# Altium PCB LimeSDR-USB_1v4.PcbDoc (part 6 of 10) (continued)
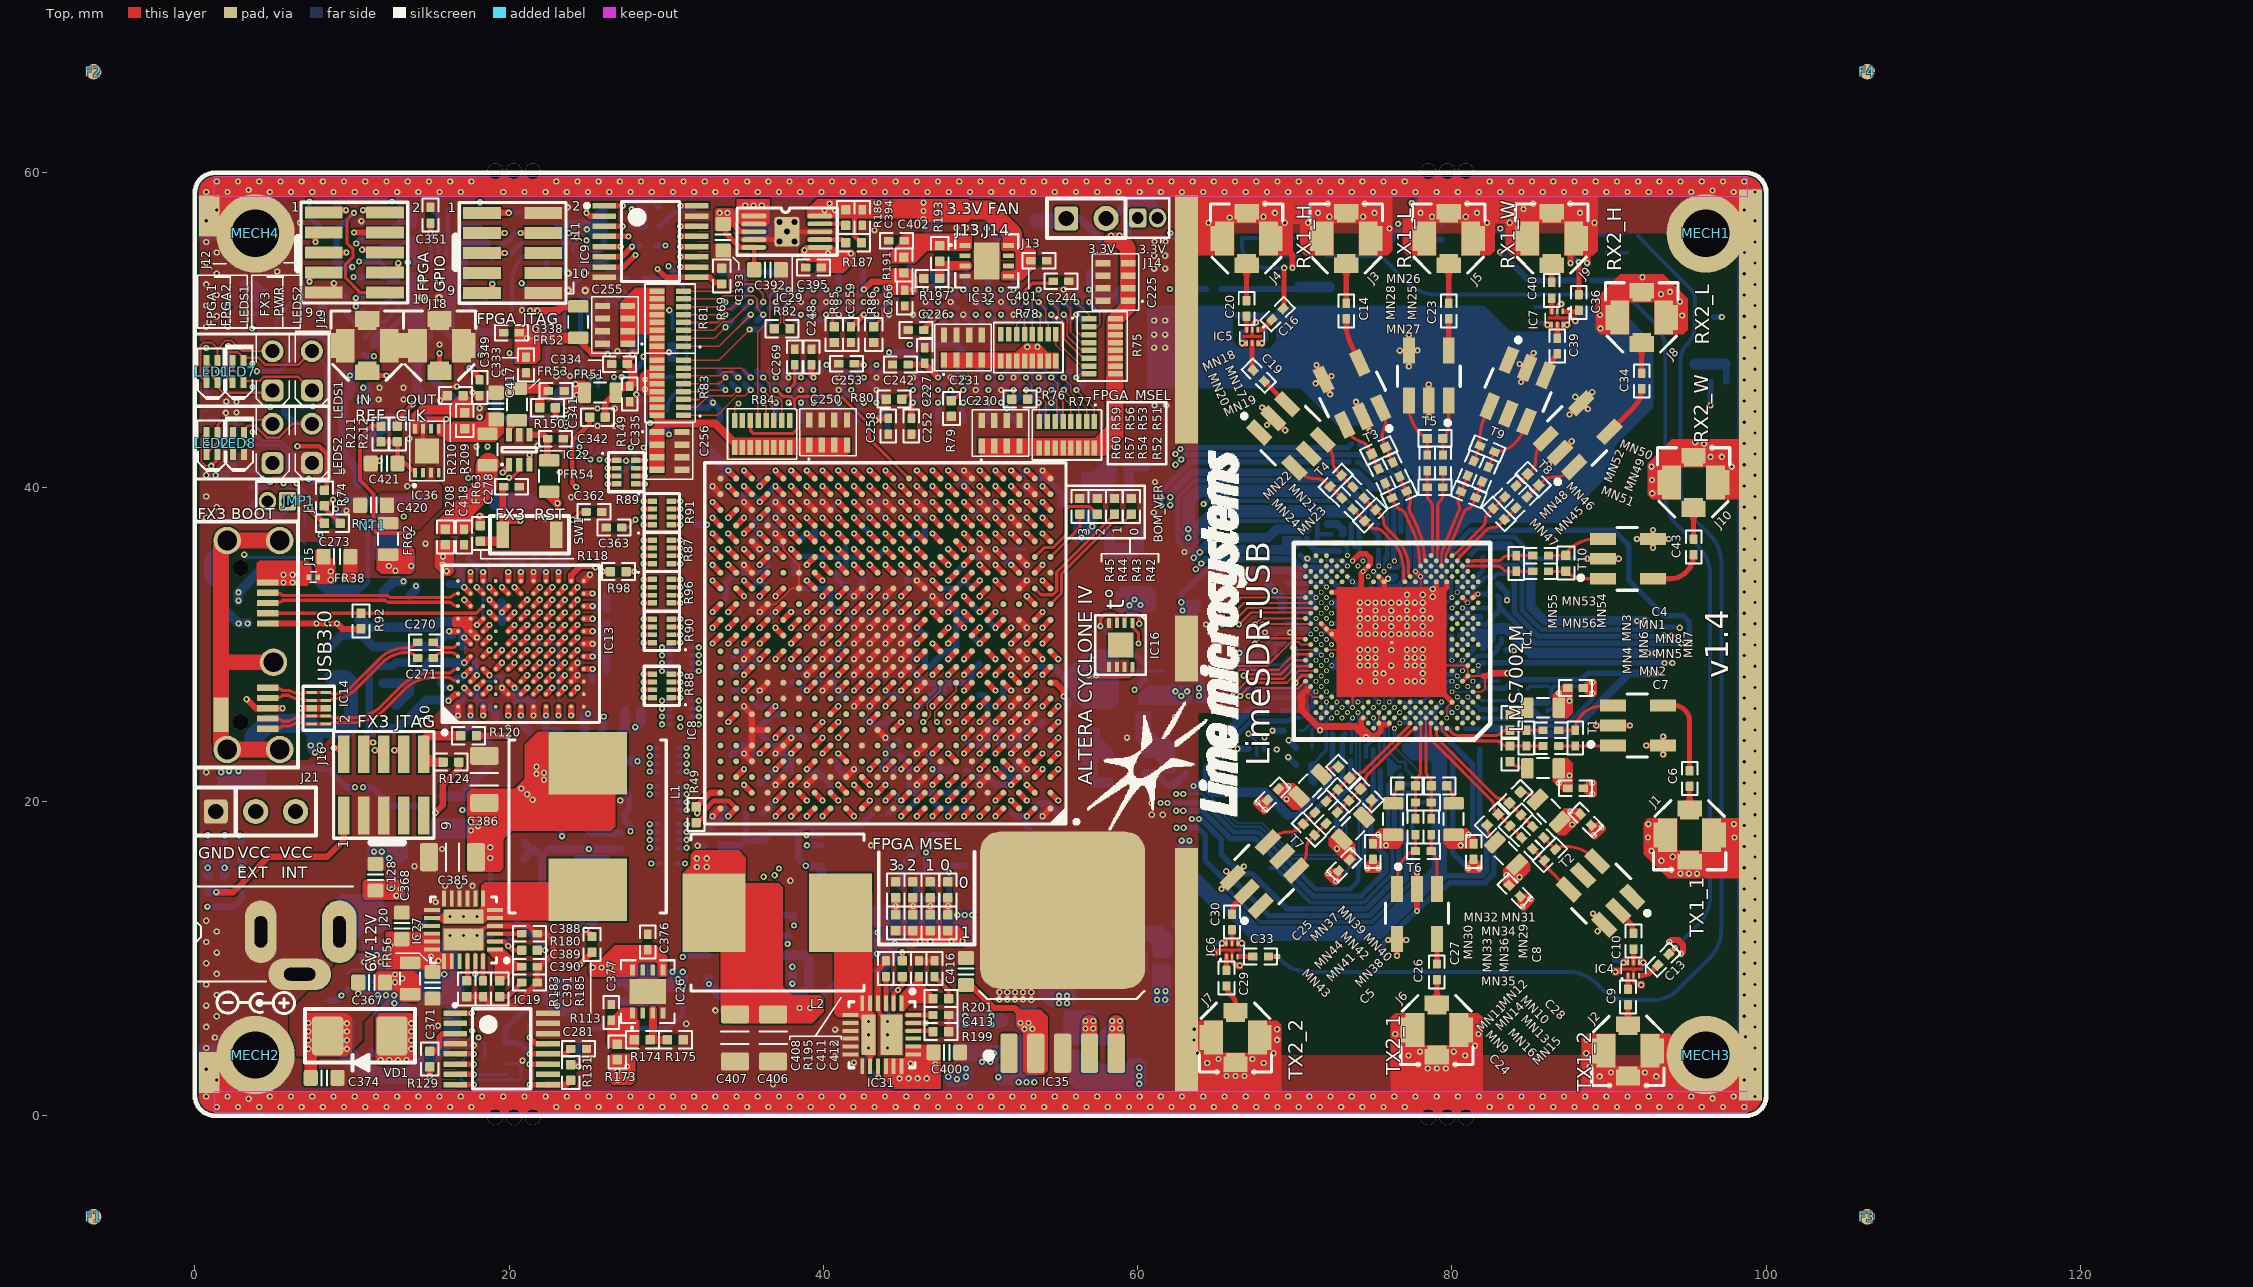
[diagram p0: Top view]
## Nets (pads, with @x,y where several pads share a name; then routed paths per layer and width w, separated by ;. In a path a pad name is that pad's centre, name@x,y a point inside that pad or via, vN(x,y) a via of type N, cw(c..) or ccw(c..) an arc to the next point about the centre after c; other vN are vias at no path point) (continued)
  Top w0.15: v2(66.75,28) 66.85,28.1 69.125,28.1 70.002,28.977 IC1.P34@70.682,28.977
  Top w0.4: v2(43.95,20.05) IC8.B11@44.45,20.55
  L9 w0.1: v2(43.95,20.05) 43.95,19.825 44.35,19.425 47.07,19.425 47.795,18.7 48.095,18.7 48.795,19.4 49.095,19.4 49.795,18.7 50.1,18.7 50.825,19.425 54.025,19.425 cw(c54.025,19.121) 54.329,19.121 54.329,19.054 ccw(c54.633,19.054) 54.633,18.75 ccw(c54.633,19.054) 54.937,19.054 54.937,19.121 cw(c55.241,19.121) 55.241,19.425 cw(c55.241,19.121) 55.545,19.121 55.545,19.054 ccw(c55.849,19.054) 55.849,18.75 ccw(c55.849,19.054) 56.153,19.054 56.153,19.121 cw(c56.457,19.121) 56.457,19.425 cw(c56.457,19.121) 56.761,19.121 56.761,19.054 ccw(c57.065,19.054) 57.065,18.75 ccw(c57.065,19.054) 57.369,19.054 57.369,19.121 cw(c57.673,19.121) 57.673,19.425 57.775,19.425 58.175,19.425 65.8,27.05 66.725,27.05 66.9,27.225 66.9,27.85 v2(66.75,28)
LMS_RESET: IC1.E27 IC8.C6 R2.1 | length 39.4
  Top w0.4: v2(48.95,21.05) IC8.C6@49.45,21.55
  L4 w0.1: v2(48.95,21.05) 48.3,20.4 47.805,20.4 47.6,20.195 47.6,19.905 48.83,18.675 50.125,18.675 52.05,16.75 55.914,16.75 57.715,18.551 57.715,18.565 64.125,24.975 70.375,24.975 71.38,25.98 v4(73.013,25.98)
  Bottom w0.39: 47.743,20.55 48.45,20.55 v2(48.95,21.05)
  Bottom w0.4: R2.1@44.9,22.9 45.45,22.35 45.45,20.843 45.743,20.55 47.743,20.55
LMS_RXEN: IC1.V34 IC8.C3 R4.2 | length 26.9
  Top w0.15: v1@67.45,30.05 67.774,30.374 70.682,30.374 IC1.V34@70.682,30.309
  Top w0.4: v2(51.95,21.05) IC8.C3@52.45,21.55
  L8 w0.1: v2(51.95,21.05) 52.021,21.05 52.471,21.5 53.895,21.5 55.45,23.055 55.45,23.45 62.1,30.1 67.4,30.1 v1@67.45,30.05
  Bottom w0.4: R4.2@49.05,22 49.5,21.55 50.425,21.55 50.925,21.05 v2(51.95,21.05)
  other v1: 67.45,30.025
LMS_TXEN: IC1.U29 IC8.B10 R3.2 | length 39.8
  Top w0.4: v2(44.95,20.05) IC8.B10@45.45,20.55
  L9 w0.1: v2(44.95,20.05) 44.6,20.4 43.775,20.4 43.6,20.225 43.6,19.892 45.017,18.475 57.508,18.475 65.358,26.325 67.3,26.325 67.613,26.638 72.138,26.638 72.9,27.4 72.9,29.653 72.577,29.976 v4(72.347,29.976)
  Bottom w0.4: R3.2@44.45,20.55 v2(44.95,20.05)
LMS_TXNRX1: IC1.V32 IC8.B9 R1.1 | length 41
  Top w0.4: v2(45.95,20.05) IC8.B9@46.45,20.55
  L9 w0.1: v2(45.95,20.05) 46.25,20.05 46.4,20.2 46.4,21.25 46.25,21.4 45.555,21.4 45.325,21.63 45.325,22.3 45.675,22.65 47.25,22.65 47.475,22.875 47.475,23.2 47.275,23.4 46.85,23.4 46.6,23.65 46.6,23.875 46.925,24.2 47.85,24.2 48.425,23.625 50.35,23.625 50.5,23.475 50.5,21.925 50.825,21.6 55.125,21.6 62.275,28.75 70.008,28.75 71.348,30.09 v4(71.348,30.309)
  Bottom w0.4: R1.1@44.075,19.175 44.45,19.55 45.45,19.55 v2(45.95,20.05)
LMS_TXNRX2: IC1.U31 IC8.B8 R10.2 | length 35.9
  Top w0.4: v2(46.95,20.05) IC8.B8@47.45,20.55
  L9 w0.1: v2(46.95,20.05) 46.6,20.4 46.6,21.195 48.83,23.425 50.07,23.425 50.3,23.195 50.3,21.775 50.675,21.4 55.284,21.4 62.434,28.55 70.178,28.55 71.605,29.976 v4(71.681,29.976)
  Bottom w0.4: v2(46.95,20.05) 47.45,19.55 R10.2@49.45,19.55
MSEL0: IC8.M17 R51.1 R52.2 | length 31.2
  Top w0.4: v2(37.95,30.05) IC8.M17@38.45,30.55
  Top w0.6: R52.2@47.925,12.775 R51.1@47.925,13.875
  L9 w0.1: v2(37.95,30.05) 37.95,29.6 38.3,29.25 38.3,28.905 36.5,27.105 34.795,25.4 33.805,25.4 33.6,25.195 33.6,24.905 34.25,24.255 34.25,20.95 36.6,18.6 36.6,17.68 39.98,14.3 46.975,14.3 v1(47.95,13.325)
MSEL1: IC8.L18 R53.1 R54.2 | length 29.1
  Top w0.4: v2(36.95,29.05) IC8.L18@37.45,29.55
  Top w0.6: R54.2@46.8,12.775 v1(46.8,13.325) R53.1@46.8,13.875
  L9 w0.1: v2(36.95,29.05) 35.325,27.425 34.83,27.425 33.2,25.795 33.2,24.739 33.85,24.089 33.85,20.784 36.2,18.434 36.2,17.514 37.3,16.414 37.3,16.4 39.8,13.9 44.63,13.9 45.555,12.975 45.845,12.975 46.195,13.325 v1(46.8,13.325)
MSEL2: IC8.L17 R56.1 R57.2 | length 27.9
  Top w0.4: v2(37.95,29.05) IC8.L17@38.45,29.55
  Top w0.6: R57.2@45.7,12.775 v1(45.7,13.325) R56.1@45.7,13.875
  L9 w0.1: v2(37.95,29.05) 37.445,29.05 35.095,26.7 34.822,26.7 33.4,25.278 33.4,24.822 34.05,24.172 34.05,20.867 36.4,18.517 36.4,17.597 39.897,14.1 44.925,14.1 v1(45.7,13.325)
MSEL3: IC8.K20 R59.1 R60.2 | length 24.8
  Top w0.4: v2(34.95,28.05) IC8.K20@35.45,28.55
  Top w0.6: R60.2@44.6,12.775 v1(44.6,13.325) R59.1@44.6,13.875
  L9 w0.1: v2(34.95,28.05) 33,26.1 33,24.656 33.65,24.007 33.65,20.701 36,18.351 36,17.417 39.717,13.7 44.225,13.7 v1(44.6,13.325)
NetC1_1: C1.1 IC1.C29 R6.1 | length 4.6
  Bottom w0.2: R6.1@71.201,22.369 71.201,22.444 72.001,23.244 72.001,25.057 72.143,25.199 72.231,25.199 v4(72.347,25.314)
  Bottom w0.5: R6.1@71.1,22.3 71.1,21.351 C1.1@71.2,21.251
NetC6_1: C6.1 J1.1 | length 1.5
  Top w0.325: J1.1@95.125,19.45 J1.1@95.125,19.55 C6.1@95.125,20.95
NetC6_2: C6.2 T1.4 | length 5.4
  Top w0.325: T1.4@93.435,26.104 94.111,26.104 cw(c94.111,25.09) 95.125,25.09 C6.2@95.125,21.95
NetC9_1: C9.1 J2.1 | length 1.2
  Top w0.325: J2.1@91.2,5.825 C9.1@91.2,7.05
NetC9_2: C9.2 IC4.1 | length 0.9
  Top w0.325: C9.2@91.2,8.05 IC4.1@91.2,8.988
NetC10_1: C10.1 IC4.5 | length 0.9
  Top w0.325: IC4.5@91.55,9.663 C10.1@91.55,10.6
NetC10_2: C10.2 T2.2 | length 1.8
  Top w0.325: T2.2@90.59,13.039 91.211,12.418 cw(c90.393,11.6) C10.2@91.55,11.6
NetC13_1: C13.1 IC4.3 | length 1.3
  Top w0.325: 92,8.9 ccw(c92,9.926) 92.726,9.201 C13.1@93.1,9.575
NetC13_2: C13.2 R15.1 RA2.1 RA3.2 VT1.1 VT3.2 | length 66.3
  Top w0.325: C13.2@93.807,10.282 v1(94.2,10.675)
  Bottom w0.254: RA2.1@70.925,55.85 ccw(c71.046,55.85) 70.96,55.765 VT1.1@72.013,54.712 RA3.2@73.345,54.712 R15.1@74.445,54.712 VT3.2@75.47,54.712 77.188,52.994 ccw(c78.984,54.79) 78.984,52.25 90.048,52.25 cw(c90.048,49.71) 91.844,51.506 92.831,50.519 cw(c91.035,48.723) 93.575,48.723 93.575,39.377 ccw(c96.115,39.377) 94.319,37.581 95.681,36.219 cw(c93.885,34.423) 96.425,34.423 96.425,13.952 cw(c93.885,13.952) 95.681,12.156 v1(94.2,10.675)
NetC14_1: C14.1 J3.1 | length 2.6
  Top w0.325: C14.1@73.275,51.7 J3.1@73.275,54.225 J3.1@73.275,54.125
NetC14_2: C14.2 T3.6 | length 3
  Top w0.325: C14.2@73.275,50.7 73.275,50.025 73.375,49.6 73.475,49.3 T3.6@74.131,47.917
NetC16_1: C16.1 RA1.1 RA2.2 RA4.2 VT2.2 | length 9.9
  Top w0.325: C16.1@69.257,51.357 ccw(c69.093,51.521) 69.325,51.521 v1(69.325,53.95)
  Bottom w0.254: v1(69.325,53.95) 68.15,53.95 cw(c68.15,55.475) 66.625,55.475 VT2.2@66.625,55.85 RA4.2@67.725,55.85 RA2.2@69.925,55.85
NetC16_2: C16.2 IC5.1 | length 1.1
  Top w0.35: 67.734,50.009 ccw(c67.734,50.431) 68.032,50.132 C16.2@68.55,50.65
NetC19_1: C19.1 IC5.5 | length 1.8
  Top w0.325: IC5.5@67.284,49.246 IC5.5@67.284,49.159 67.284,47.613 ccw(c67.525,47.613) C19.1@67.354,47.442
NetC19_2: C19.2 T4.3 | length 2.1
  Top w0.325: C19.2@68.061,46.735 T4.3@69.527,45.269 ; T4.3@69.503,45.294 T4.3@69.527,45.269 ; T4.3@69.552,45.244 T4.3@69.527,45.269
NetC20_1: C20.1 J4.1 | length 2.3
  Top w0.325: C20.1@66.934,51.859 J4.1@66.934,54.125
NetC20_2: C20.2 IC5.3 | length 0.9
  Top w0.325: IC5.3@66.934,49.921 C20.2@66.934,50.859
NetC23_1: C23.1 J5.1 | length 2.5
  Top w0.325: C23.1@79.8,51.7 J5.1@79.8,54.225
NetC23_2: C23.2 T5.6 | length 2.4
  Top w0.325: T5.6@79.796,49.059 T5.6@79.796,48.682 79.796,50.696 C23.2@79.8,50.7
NetC26_1: C26.1 J6.1 | length 1.5
  Top w0.325: J6.1@79.04,7.15 C26.1@79.04,8.65
NetC26_2: C26.2 T6.4 | length 1.6
  Top w0.325: C26.2@79.04,9.65 ccw(c79.015,9.675) C26.2@79.051,9.675 ; C26.2@79.051,9.65 T6.4@79.051,11.244
NetC29_1: C29.1 J7.1 | length 1.8
  Top w0.325: C29.1@65.65,8.25 ccw(c66.314,8.25) 65.844,7.781 66.025,7.6 cw(c65.542,7.117) 66.225,7.117 J7.1@66.225,6.675
NetC29_2: C29.2 IC6.1 | length 0.9
  Top w0.325: C29.2@65.65,9.275 IC6.1@65.65,10.212
NetC30_1: C30.1 IC6.5 | length 0.9
  Top w0.325: IC6.5@66,10.888 C30.1@66,11.825
NetC30_2: C30.2 T7.2 | length 1.8
  Top w0.325: C30.2@66,12.825 cw(c67.162,12.825) 66.34,13.647 T7.2@66.945,14.251
NetC33_1: C33.1 IC6.3 | length 0.9
  Top w0.325: 66.45,10.125 C33.1@67.325,10.125
NetC33_2: C33.2 R19.1 RA6.1 RA7.2 VT4.1 VT6.2 | length 78.6
  Top w0.325: C33.2@68.325,10.125 v1(68.875,10.125)
  Bottom w0.254: v1(68.875,10.125) 69.106,9.894 ccw(c70.902,11.69) 70.902,9.15 87.398,9.15 cw(c87.398,6.61) 89.194,8.406 89.506,8.094 ccw(c91.302,9.89) 91.302,7.35 92.775,7.35 ccw(c92.775,9.644) 94.397,8.022 96.406,10.031 ccw(c94.61,11.827) 97.15,11.827 97.15,35.173 ccw(c94.61,35.173) 96.406,36.969 95.294,38.081 cw(c97.09,39.877) 94.55,39.877 94.55,48.1 cw(c95.938,48.1) 94.957,49.082 ccw(c93.705,50.333) 95.475,50.333 R19.1@95.475,50.825 RA7.2@95.475,51.925 ccw(c94.509,51.925) 95.192,52.608 VT4.1@92.888,54.912 RA6.1@91.835,55.965
NetC34_1: C34.1 J8.1 | length 1.9
  Top w0.325: C34.1@92.076,47.255 J8.1@92.075,49.2
NetC34_2: C34.2 T8.6 | length 3.5
  Top w0.325: T8.6@90.025,43.527 91.597,45.099 ccw(c90.441,46.255) C34.2@92.076,46.255
NetC36_1: C36.1 RA5.1 RA6.2 RA8.2 VT5.2 | length 7.2
  Top w0.325: C36.1@88.075,52.175 C36.1@88.075,52.25 v1(88.075,54.325)
  Bottom w0.254: v1(88.075,54.325) 87.783,54.617 cw(c88.466,55.3) VT5.2@87.5,55.3 87.5,55.75 cw(c87.8,55.75) 87.8,56.05 RA8.2@88.6,56.05 RA5.1@89.7,56.05 RA6.2@90.8,56.05
NetC36_2: C36.2 IC7.1 | length 0.9
  Top w0.325: 87.15,51.175 C36.2@88.075,51.175
NetC39_1: C39.1 IC7.5 | length 0.9
  Top w0.325: C39.1@86.7,49.475 IC7.5@86.7,50.412
NetC39_2: C39.2 T9.3 | length 1.6
  Top w0.35: T9.3@85.969,47.113 86.325,47.975 86.45,48.15 C39.2@86.7,48.475
NetC40_1: C40.1 J9.1 | length 1.2
  Top w0.325: C40.1@86.35,53.025 J9.1@86.35,54.225
NetC40_2: C40.2 IC7.3 | length 0.9
  Top w0.325: IC7.3@86.35,51.088 C40.2@86.35,52.025
NetC43_1: C43.1 J10.1 | length 1.9
  Top w0.325: J10.1@95.375,38.6 95.38,38.6 C43.1@95.38,36.693
NetC43_2: C43.2 T10.6 | length 3.5
  Top w0.325: T10.6@92.784,34.168 93.855,34.168 ccw(c93.855,35.693) C43.2@95.38,35.693
NetC44_1: C44.1 C45.1 IC1.AH30 R29.2 | length 2.6
  Bottom w0.3: R29.2@69.551,33.869 71.785,33.869 v4(72.014,33.639)
NetC46_1: C46.1 C47.1 IC1.T32 R25.2 | length 4.7
  Top w0.11: v1(69.901,29.769) 70.023,29.646 IC1.T32@71.345,29.646
  Bottom w0.11: R25.2@68.751,29.319 C46.1@68.751,29.924
  Bottom w0.25: R25.2@68.751,29.319 68.781,29.349 C46.1@68.781,29.954 ; C46.1@68.781,30.044 C46.1@68.781,29.954 ; C47.1@70.131,29.219 70.131,29.539 69.651,30.019 68.846,30.019 C46.1@68.781,29.954
NetC48_1: C48.1 C49.1 IC1.AE29 R26.1 | length 8.7
  Bottom w0.3: v4(72.347,32.64) 72.589,32.399 C49.1@73.626,32.399
  Bottom w0.4: R26.1@67.225,34.675 69.695,34.675 70.006,34.364 72.006,34.364 73.201,33.169 73.201,32.469
NetC50_1: C50.1 C51.1 IC1.R31 R22.1 | length 4.1
  Bottom w0.35: 71.548,29.444 v4(71.681,29.31)
  Bottom w0.37: R22.1@68.501,28.169 69.201,28.169 69.624,28.591 C51.1@70.801,28.591 70.801,29.144 71.116,29.459 71.533,29.459 71.548,29.444
NetC52_1: C52.1 C53.1 IC1.W31 R30.2 | length 2.6
  Bottom w0.2: R30.2@72.951,30.019 73.026,30.094 C52.1@73.646,30.094
  Bottom w0.25: C53.1@72.049,30.946 72.049,30.84 72.525,30.364 72.631,30.364 72.951,30.044 R30.2@72.951,30.019
  Bottom w0.3: v4(71.681,30.642) 71.746,30.642 C53.1@72.049,30.946
NetC54_1: C54.1 C55.1 IC1.H32 R27.2 | length 3.3
  Bottom w0.35: R27.2@69.251,25.769 70.785,25.769 71.156,26.14 71.156,26.787 71.307,26.939 C54.1@70.9,26.939
  other v4: 71.348,26.979
NetC56_1: C56.1 C57.1 IC1.W33 R23.2 | length 2
  Bottom w0.3: R23.2@69.426,31.319 C56.1@70.096,31.319 70.101,31.314 70.376,31.039 C57.1@70.876,31.039 70.876,30.781 v4(71.015,30.642)
NetC58_1: C58.1 C59.1 IC1.AA29 R28.1 | length 12.7
  L8 w0.35: v1(65.25,32.475) 66.575,32.475 68.189,34.089 72.2,34.089 72.464,33.826 72.464,33.16 72.797,32.827 72.797,31.788 72.347,31.338 v4(72.347,31.308)
  Bottom w0.3: v4(72.347,31.308) 73.616,31.308 C59.1@73.626,31.299
  Bottom w0.35: R28.1@64.675,32.475 v1(65.25,32.475)
NetC60_1: C60.1 C61.1 IC1.L33 R24.1 | length 6.8
  Top w0.2: v1(70.05,27.55) 70.05,27.625 70.445,28.02 71.015,28.02 IC1.L33@71.015,27.978
  Bottom w0.3: R24.1@64.975,27.525 65.35,27.15 68.375,27.15 68.376,27.149 C61.1@69.876,27.149 69.876,27.376 v1(70.05,27.55)
NetC62_1: C62.1 FR2.2 IC1.C25 | length 1.4
  Bottom w0.25: FR2.2@72.501,24.849 73.301,24.849 73.679,25.227 v4(73.679,25.314)
NetC63_1: C63.1 IC1.D24 R31.1 | length 2.7
  Bottom w0.22: R31.1@73.581,23.129 C63.1@73.581,23.644 ; C63.1@73.631,23.644 73.631,24.624 74.064,25.057 74.064,25.595 v4(74.012,25.647)
NetC64_1: C64.1 FR1.1 IC1.F8 R32.1 | length 2.8
  Bottom w0.35: v4(79.34,26.313) 78.876,25.849 78.876,24.874 C64.1@79.125,24.624 FR1.1@79.901,24.624
NetC65_1: C65.1 FR4.2 IC1.F24 | length 1.6
  Bottom w0.3: FR4.2@73.406,27.544 C65.1@73.406,26.769 73.492,26.769 73.947,26.313 v4(74.012,26.313)
NetC66_1: C66.1 FR7.1 IC1.E21 | length 53.4
  L4 w0.7: v1@62.394,20.325 63.425,20.325 64.55,19.2 64.522,19.172 64.55,19.144 64.55,18.606 64.169,18.225 62.575,18.225 v1(62.475,18.325)
  Bottom w0.15: v1@62.35,20.475 v1(62.45,20.475) v1(62.9,20.475) 64.128,20.475 66.226,18.377 67.822,18.377 69.85,16.35 72.897,16.35 73.27,16.722 73.27,19.902 74.126,20.758 74.126,24.419 74.572,24.865 74.572,25.541 v4(75.011,25.98)
  Bottom w0.35: v1(62.475,18.325) v1(62.925,18.325) 63.825,18.325 64.3,17.85 64.3,16.224 65.749,14.775 66.3,14.775 68.35,12.725 74.745,12.725 77.081,15.061 77.081,17.727 76.839,17.969 FR7.1@76.839,20.525 76.86,20.504 C66.1@77.544,20.504
NetC67_1: C67.1 FR6.1 IC1.D16 | length 7
  Bottom w0.15: 75.993,24.968 75.993,23.132 76.6,22.525 76.948,22.525 77.05,22.422 77.05,22.052 78,21.101 FR6.1@78,21.089 78.262,20.827 C67.1@78.262,20.525
  Bottom w0.17: 75.989,24.493 75.983,24.499 75.983,24.958 75.993,24.968 v4(76.675,25.65)
NetC68_1: C68.1 FR3.1 IC1.E17 | length 4.7
  Bottom w0.2: C68.1@76.05,21.755 76.495,22.2 FR3.1@76.7,22.2 ; 76.1,22.525 75.693,22.932 75.693,25.33 v4(76.343,25.98)
NetC69_1: C69.1 FR5.2 IC1.AL21 | length 13.4
  Bottom w0.35: v4(75.011,34.638) 75.401,34.248 75.401,33.794
  Bottom w0.4: FR5.2@74.15,42.725 74.301,42.725 75.506,41.52 76.226,41.52 77.222,40.524 77.251,40.524 77.251,34.95 76.95,34.649 76.95,34.067 76.552,33.669 75.606,33.669 75.431,33.844
NetC70_1: C70.1 FR12.1 IC1.G3 | length 2.1
  Bottom w0.3: v4(81.005,26.646) 81.005,26.631 81.787,25.849 FR12.1@82.801,25.849
NetC71_1: C71.1 FR9.2 IC1.M4 | length 3.6
  Bottom w0.3: v4(80.672,28.311) 81.629,29.269 82.546,29.269 C71.1@82.896,29.619 82.896,29.821 83.156,30.081 FR9.2@83.156,30.369
NetC72_1: C72.1 FR10.2 IC1.H6 | length 5.2
  Bottom w0.11: v4(80.006,26.979) 81.296,26.979
  Bottom w0.2: 81.296,26.979 81.85,26.425 FR10.2@84.25,26.425 84.246,26.429 C72.1@84.246,27.144
NetC73_1: C73.1 FR8.1 IC1.B16 | length 2.4
  Bottom w0.25: v4(76.676,24.981) 76.688,24.994 FR8.1@77.196,24.994 77.196,25.289 77.531,25.624 77.531,25.744 76.956,26.319 C73.1@76.794,26.319
NetC74_1: C74.1 FR10.1 R33.1 | length 1.4
  Bottom w0.4: FR10.1@84.81,26.425 84.963,26.272 85.279,26.272 86.087,26.272 C74.1@86.094,26.279
NetC75_1: C75.1 FR11.1 IC1.A17 | length 1.3
  Bottom w0.25: v4(76.343,24.648) 76.343,24.182 C75.1@76.351,24.174 FR11.1@77.126,24.174
NetC76_1: C76.1 FR13.1 IC1.E19 | length 4.3
  Bottom w0.11: v4(75.677,25.98) C76.1@75.677,26.794
  Bottom w0.2: FR13.1@75.393,22.607 75.393,25.696 v4(75.677,25.98)
NetC77_1: C77.1 IC1.J3 R36.1 | length 2.2
  Bottom w0.19: v4(81.005,27.312) 81.042,27.275 81.703,27.275 R36.1@81.721,27.294
  Bottom w0.2: R36.1@81.721,27.294 81.721,27.446 81.944,27.669 82.931,27.669 C77.1@82.95,27.65
NetC78_1: C78.1 FR17.1 IC1.C21 | length 2.8
  Bottom w0.24: FR17.1@74.976,23.874 75.073,23.971 75.073,25.252 v4(75.011,25.314)
  Bottom w0.25: C78.1@74.531,22.806 74.531,23.487 74.918,23.874 FR17.1@74.976,23.874
NetC79_1: C79.1 IC1.F20 R35.2 | length 1.4
  Bottom w0.25: R35.2@74.651,27.469 75.106,27.014 75.106,26.551 v4(75.344,26.313)
NetC80_2: C80.2 FR14.2 IC1.K6 R34.2 | length 3.3
  Bottom w0.27: C80.2@77.376,26.464 77.498,26.342 FR14.2@78.126,26.342 78.796,27.012 78.796,27.019 78.796,27.116 79.164,27.484 79.634,27.484 79.795,27.645 v4(80.006,27.645)
NetC81_1: C81.1 FR16.2 FR18.2 IC1.L5 R37.2 | length 4.2
  L4 w0.35: v4(80.006,28.977) 80.006,28.311 v4(80.339,27.978)
  Bottom w0.3: C81.1@79.381,27.894 79.558,28.07 80.247,28.07 v4(80.339,27.978) 80.339,27.931 R37.2@80.624,27.646
  Bottom w0.35: FR16.2@79.95,30.525 79.95,29.033 v4(80.006,28.977)
NetC82_1: C82.1 FR15.1 IC1.AN23 | length 2.7
  Bottom w0.3: C82.1@74.126,36.239 74.126,35.523 v4(74.345,35.304)
  Bottom w0.35: FR15.1@73.601,37.594 73.601,36.49 73.852,36.239 C82.1@74.101,36.239
NetC83_1: C83.1 FR20.2 IC1.G5 | length 1.7
  Bottom w0.2: C83.1@80.753,26.232 80.719,26.232 80.719,25.316 FR20.2@80.849,25.186
  Bottom w0.3: v4(80.339,26.646) C83.1@80.753,26.232
NetC84_1: C84.1 FR21.2 IC1.N1 | length 1.1
  Bottom w0.3: C84.1@81.721,28.069 81.671,28.119 v4(81.671,28.644) 81.833,28.806 FR21.2@82.094,28.806
NetC85_1: C85.1 FR19.1 IC1.AM18 | length 2.3
  Bottom w0.31: v4(76.01,34.971) 76.113,34.869 76.526,34.869 76.776,35.119 FR19.1@76.776,36.514
NetC86_1: C86.1 IC1.AL19 R38.2 | length 3.5
  Bottom w0.11: v4(75.677,34.638) 75.676,35.244
  Bottom w0.3: 75.821,35.589 75.881,35.649 C86.1@75.881,38.419
NetC87_1: C87.1 FR20.1 R39.1 | length 1.6
  Bottom w0.3: FR20.1@80.849,24.626 81.772,24.626 R39.1@81.775,24.629 ; C87.1@81.771,23.869 R39.1@81.771,24.559
NetC88_1: C88.1 FR22.1 IC1.AM20 | length 1
  Bottom w0.3: v4@75.331,34.984 FR22.1@75.331,36.019
  other v4: 75.344,34.971
NetC89_1: C89.1 FR27.2 IC1.AD6 | length 3.8
  Bottom w0.3: v4(80.006,32.307) 80.826,33.127 80.826,33.535 81.201,33.91 81.201,33.918 81.946,34.663
  Bottom w0.35: C89.1@81.946,34.869 FR27.2@81.946,35.55
NetC90_1: C90.1 FR23.2 IC1.AE3 IC1.AF4 | length 4.5
  Top w0.3: IC1.AF4@80.672,32.973 v4(81.005,32.64)
  Bottom w0.3: v4(81.005,32.64) 81.226,32.861 81.226,33.37 81.575,33.719 ; 81.601,33.752 82.117,34.269 82.676,34.269 82.896,34.489 83.176,34.489 FR23.2@84.055,34.489
NetC91_1: C91.1 FR24.1 FR25.1 IC1.AN17 | length 7.9
  Bottom w0.34: FR25.1@73.98,41.6 74.125,41.6 75.125,40.6 75.845,40.6 76.293,40.152 FR24.1@76.293,39.982 ; FR24.1@76.301,40.069 76.301,35.346 v4(76.343,35.304)
NetC92_1: C92.1 FR26.1 IC1.AJ25 | length 1
  Bottom w0.35: FR26.1@73.399,34.246 73.672,33.972 v4(73.679,33.972) 73.908,33.744 C92.1@74.183,33.744
NetC93_1: C93.1 FR28.2 IC1.AG5 | length 2.7
  Bottom w0.35: v4@80.351,33.294 80.401,33.344 80.401,33.719 80.451,33.769 80.459,33.769 80.776,34.086 80.776,34.094 80.776,34.739 ; C93.1@80.486,35.154 80.776,34.864 80.776,34.739 ; FR28.2@81.191,35.154 80.776,34.739
  other v4: 80.339,33.306
NetC94_1: C94.1 FR30.2 IC1.P4 | length 1.7
  Bottom w0.35: C94.1@80.206,28.526 80.221,28.526 v4(80.672,28.977) 81.369,29.674 FR30.2@81.369,29.781
NetC95_1: C95.1 FR29.1 IC1.AP26 | length 1.7
  Bottom w0.3: C95.1@72.276,36.439 FR29.1@73.051,36.439 73.346,36.144 v4(73.346,35.637)
NetC96_1: C96.1 FR29.2 R40.2 | length 1.4
  Bottom w0.5: C96.1@72.076,37.644 R40.2@72.701,37.644 73.051,37.294 FR29.2@73.051,37.044
NetC97_1: C97.1 FR31.1 IC1.AM26 | length 1.4
  Bottom w0.3: C97.1@72.051,35.339 FR31.1@72.826,35.339 72.979,35.339 v4(73.346,34.971)
NetC98_1: C98.1 FR31.2 R41.2 | length 2.5
  Bottom w0.4: R41.2@70.751,36.714 70.751,36.519 71.321,35.949 FR31.2@72.851,35.949
NetC99_1: C99.1 FR32.1 IC1.AK22 | length 13.9
  L4 w0.35: v1(65.8,36) 71.425,36 73.003,34.422 73.865,34.422 74.099,34.188 74.561,34.188 v4(74.678,34.305)
  Bottom w0.6: v1(65.8,36) 69.25,36 69.775,36.525
NetC100_1: C100.1 FR33.1 IC1.AF6 | length 1.9
  Bottom w0.25: C100.1@79.531,32.544 79.576,32.544 v4(80.006,32.973) 79.939,33.04 79.939,33.982 FR33.1@80.051,34.094 ; FR33.1@80.001,34.064 FR33.1@80.006,34.059
NetC101_1: C101.1 FR34.1 IC1.AD4 | length 1.8
  Bottom w0.3: v4(80.672,32.307) 80.737,32.307 80.829,32.215 81.181,32.215 81.273,32.307 82.342,32.307 FR34.1@82.351,32.299
NetC102_1: C102.1 FR35.1 IC1.AF2 | length 1.8
  Top w0.35: IC1.AF2@81.338,32.973 81.558,33.194 v4(81.651,33.194)
  Bottom w0.3: v4(81.651,33.194) 82.18,33.194 82.305,33.069 82.371,33.069 C102.1@82.371,33.719
NetC274_1: C274.1 FR39.2 J15.11 J15.12 | length 26.9
  Top w1: J15.11@5.007,28.85 1.692,28.85 1.667,28.875 ; J15.11@5.407,23.3 J15.11@2.057,23.3 1.667,23.69 J15.12@1.667,25.51 1.667,28.875 ; J15.11@5.407,36.6 J15.11@2.057,36.6 1.667,36.21 1.667,28.875
  Bottom w0.6: FR39.2@1.17,33.95 0.875,34.245 0.875,35.418 J15.11@2.057,36.6
NetC298_2: C298.2 C299.1 FR44.1 IC13.A2 | length 5.7
  Top w0.4: v2(16.15,26.4) 16.575,26.825 IC13.A2@16.75,26.825
  Bottom w0.6: FR44.1@11.95,24.65 12.975,24.65 C298.2@14.2,25.875 14.775,26.45 C299.1@15.325,26.45 v2@16.1,26.45
NetC300_1: C300.1 C301.2 FR45.1 IC13.B5 | length 7.9
  Top w0.4: v2(17.15,28.825) IC13.B5@17.55,29.225
  Bottom w0.6: FR45.1@11.975,27.525 13.636,27.525 ; C301.2@12.8,26.1 13.636,26.936 13.636,27.525 ; C300.1@14.875,28.85 14.875,28.764 13.636,27.525 ; C300.1@15.075,28.825 v2(17.15,28.825)
NetC302_1: C302.1 C303.2 FR46.1 IC13.A7 | length 8.3
  Top w0.4: v2(16.184,30.825) IC13.A7@16.75,30.825
  Bottom w0.6: FR46.1@8.675,29.9 9.375,30.6 C303.2@10.1,30.6 10.6,30.6 11.365,29.835 C302.1@12.81,29.835 15.146,29.835 15.611,30.3
NetC321_1: C321.1 IC20.21 | length 1.3
  Bottom w0.254: IC20.21@26.225,53.313 C321.1@27.55,53.313
NetC321_2: C321.2 C322.1 R140.2 | length 2.2
  Bottom w0.254: R140.2@28.55,52.263 C321.2@28.55,53.313 C322.1@29.65,53.313
NetC322_2: C322.2 R137.1 R144.1 R145.1 R146.2 R147.1 R148.1 | length 49.2
  L4 w0.1: v1(3.65,50.1) 6.973,50.1 cw(c6.973,47.56) 8.769,49.356 cw(c7.849,48.436) 9.15,48.436 ccw(c10.625,48.436) 9.582,47.393 v1(9.875,47.1)
  L8 w0.1: v1(9.875,47.1) 10.248,47.1 ccw(c10.248,49.64) 12.044,47.844 15.381,51.181 cw(c17.177,49.385) 17.177,51.925 26.973,51.925 ccw(c26.973,54.465) 28.769,52.669 v1(30.15,54.05)
  Bottom w0.254: R148.1@30.075,44.85 30.075,44.909 cw(c31.441,44.909) 30.475,45.875 30.815,46.215 ccw(c29.706,47.325) 31.275,47.325 31.275,51.804 ccw(c29.141,51.804) C322.2@30.65,53.313
  Bottom w0.309: R144.1@3.1,49.925 3.275,50.1 v1(3.65,50.1) 4.025,50.1 R145.1@4.2,49.925
  Bottom w0.4: v1(30.15,54.05) 30.15,54.043 30.65,53.543 C322.2@30.65,53.313
  Bottom w0.6: v1(9.875,47.1) 9.875,46.222 cw(c9.278,46.222) 9.7,45.8 ccw(c10.386,45.114) 9.416,45.114 9.416,42.612 ccw(c10.568,42.612) 9.753,41.797 cw(c8.131,40.175) R137.1@10.425,40.175
NetC323_2: C323.2 IC20.20 | length 1.5
  Bottom w0.25: IC20.20@26.225,53.813 26.95,53.813 C323.2@27.5,54.363
NetC326_2: C326.2 C327.2 FR49.1 R138.2 XO1.5 XO2.4 | length 8.4
  Bottom w0.6: C327.2@14.15,47.95 R138.2@14.15,46.9 14.15,46.225 14.8,45.575 XO2.4@14.8,44.225
  Bottom w1: FR49.1@10.95,42.925 12.225,44.2 14.775,44.2 XO2.4@14.8,44.225
NetC328_2: C328.2 IC21.6 IC21.7 IC21.8 R141.2 | length 2.9
  Bottom w0.5: R141.2@3.1,52.025 IC21.7@4.2,52.025 IC21.8@4.2,52.525 3.825,52.9 C328.2@3.1,52.9
NetC341_2: C341.2 FR53.2 R150.2 | length 3.4
  Top w0.4: 21.95,45.475 22,45.525
  Top w0.5: 22,45.525 22,45.625 C341.2@22.5,46.125
  Top w0.6: FR53.2@20.5,46.255 22.37,46.255 C341.2@22.5,46.125 ; R150.2@21.95,45.05 21.95,45.475
NetC342_1: C342.1 FR54.2 IC22.4 | length 2.6
  Top w0.4: IC22.4@21.3,43.325 22.2,43.325 C342.1@22.45,43.075 22.425,43.05 FR54.2@22.425,41.725
NetC343_1: C343.1 IC23.5 | length 1.4
  Bottom w0.3: IC23.5@17.05,51.6 17.425,51.6 C343.1@18.125,50.9
NetC343_2: C343.2 C344.1 R152.2 | length 2.1
  Bottom w0.5: C343.2@18.125,49.9 18.175,49.85 R152.2@19.175,49.85 19.175,49.9 C344.1@19.175,50.9
NetC346_2: C346.2 C347.1 C348.1 FR55.2 IC23.6 IC23.7 | length 21.3
  L4 w0.4: v1(10.275,55.5) 10.375,55.6 14.475,55.6 17.55,52.525 17.55,49.025 v1(18.175,48.4)
  Bottom w0.3: IC23.7@15.5,50.7 IC23.6@16,50.7 16,49.825 16.25,49.575 16.475,49.575
  Bottom w0.4: v1(10.275,55.5) 11.2,56.425 C347.1@12.275,56.425 12.65,56.425 13.1,56.875 FR55.2@13.1,57.445
  Bottom w0.5: 16.475,49.575 16.975,49.575 17.7,48.85 C346.2@18.175,48.85 v1@18.175,48.45
NetC351_2: C351.2 C352.1 IC23.18 R153.1 | length 2.9
  Top w0.4: v1(15,56.175) C351.2@15,56.8
  Bottom w0.3: C352.1@14.825,56.675 15,56.5 IC23.18@15,54.5
NetC353_1: C353.1 C354.2 R159.2 | length 2
  Bottom w0.3: C354.2@12.925,48.475 R159.2@12.925,49.425 C353.1@13.975,49.425
NetC353_2: C353.2 IC23.8 | length 1.2
  Bottom w0.3: C353.2@15,49.45 IC23.8@15,50.7
NetC355_2: C355.2 R156.2 R157.1 | length 12.4
  L4 w0.1: v1(18.15,58.125) 18.15,53.227 ccw(c20.69,53.227) 18.894,51.431 19.281,51.044 cw(c17.485,49.248) 20.025,49.248 v1(20.025,48.525)
  Bottom w0.254: v1(20.025,48.525) cw(c19.456,47.956) 20.26,47.956 R157.1@20.26,47.943
  Bottom w0.309: R156.2@17.125,57.575 C355.2@18.175,57.575 ; v1@18.15,58.15 18.15,57.696 ccw(c18.321,57.696) C355.2@18.2,57.575
NetC356_1: C356.1 R162.2 | length 1.1
  Bottom w0.3: C356.1@17.1,56.575 18.15,56.575 R162.2@18.2,56.525
NetC356_2: C356.2 C357.2 IC23.20 R156.1 | length 3.2
  Bottom w0.3: IC23.20@16,54.5 16,55.475 C357.2@16.1,55.575 C356.2@16.1,56.575 R156.1@16.1,57.625
NetC358_1: C358.1 IC23.4 | length 1.5
  Bottom w0.3: IC23.4@17.05,52.1 18.35,52.1 C358.1@18.5,51.95
NetC361_2: C361.2 IC23.12 R163.2 | length 4.5
  Bottom w0.3: C361.2@9.625,51.175 9.625,51 10.15,50.475 11.075,50.475 R163.2@11.775,51.175 11.775,51.3 12.575,52.1 IC23.12@12.95,52.1
NetC367_2: C367.2 FR56.2 IC25.A2 IC25.A3 IC25.B3 IC25.C3 | length 0.7
  Bottom w0.33: IC25.C3@11.538,8.913 IC25.B3@11.938,8.913 IC25.A3@12.273,8.913
  other v1: 12.738,8.488 13.2,8.725 12.738,8.988
NetC373_1: C373.1 J20.1 J21.2 R172.2 VD1.A | length 5
  Bottom w0.4: C373.1@11.225,4.125 v1(11.825,3.525) v1(13.475,3.525) 13.775,3.825 v1(13.775,5.875)
  other v1: 12.375,3.525 12.925,3.525 13.775,4.25 13.775,4.8 13.775,5.35
NetC377_2: C377.2 IC26.1 R173.2 R174.2
NetC378_1: C378.1 IC27.15 | length 1.4
  Top w0.25: v1@14.425,12.075 IC27.15@15.1,12.075
  Bottom w0.25: v1(14.375,12.05) 14.7,12.375 C378.1@14.7,12.675
NetC378_2: C378.2 IC27.5 IC27.6 IC27.7 IC27.14 IC27.26 L1.1
  other v5: 16.25,12.675 17.1,12.675 17.95,12.675
NetC383_2: C383.2 FR58.2 IC28.5 IC28.8
NetC384_2: C384.2 IC28.1 R178.2 R179.2
NetC388_1: C388.1 IC27.3 | length 2.1
  Top w0.309: IC27.3@18.7,11.575 C388.1@20.8,11.575
NetC389_1: C389.1 IC27.1 R185.2
NetC390_1: C390.1 R185.1 | length 1.8
  Top w0.309: R185.1@19.4,7.575 19.9,7.575 C390.1@20.8,8.475
NetC391_1: C391.1 IC27.24 | length 1.7
  Top w0.309: C391.1@18.35,8.575 IC27.24@18.35,10.225
NetC397_2: C397.2 FR59.2 IC30.5 IC30.8
NetC398_2: C398.2 IC30.1 R188.2 R189.1
NetC399_1: C399.1 IC31.15 | length 1.5
  Top w0.25: IC31.15@43.475,3.15 43.475,2.45 v1(43.5,2.425)
  Bottom w0.25: C399.1@42.875,2.75 43.175,2.75 v1(43.5,2.425)
NetC399_2: C399.2 IC31.5 IC31.6 IC31.7 IC31.14 IC31.26 L2.1
  other v5: 42.875,4.3 42.875,5.15 42.875,6
NetC402_2: C402.2 IC32.1 R191.2 R193.2
NetC404_2: C404.2 FR60.2 IC33.5 IC33.8
NetC405_2: C405.2 IC33.1 R192.2 R194.2
NetC408_1: C408.1 IC31.3 | length 2.1
  Top w0.309: IC31.3@43.975,6.75 C408.1@43.975,8.85
NetC410_2: C410.2 IC34.1 R202.2 R203.2
NetC411_1: C411.1 IC31.1 R201.2
NetC412_1: C412.1 R201.1 | length 1.8
  Top w0.309: C412.1@47.075,8.85 47.975,7.95 R201.1@47.975,7.45
NetC413_1: C413.1 IC31.24 | length 1.7
  Top w0.309: IC31.24@45.325,6.4 C413.1@46.975,6.4
NetC415_2: C415.2 IC35.4 R204.2 R205.1 | length 1.9
  Top w1: IC35.4@56.93,3.975 56.93,5.905
  other v1: 56.675,5.55 57.175,5.55 56.675,6.025 57.175,6.025
NetC416_2: C416.2 FR61.2 IC35.2 | length 4
  Top w0.4: C416.2@49.2,8.5 50.85,6.85 52.176,6.85 52.402,6.624
  other v1: 52.8,5.525 53.3,5.525 52.55,5.9 53.05,5.9
NetC417_2: C417.2 FR63.1 IC36.5 R209.1
NetC418_2: C418.2 FR63.2 R208.2 | length 4.2
  Top w1.4: 17.05,37.95 17.05,38.525 18.55,40.025 18.55,41.325 FR63.2@18.7,41.475
NetC420_2: C420.2 FR62.2 IC36.3
NetC421_2: C421.2 IC36.1 R211.2 R212.1 | length 3.8
  Top w0.3: R211.2@11.85,42.875 R212.1@12.875,42.875 12.9,42.85 C421.2@12.9,41.5 13.425,41.5 IC36.1@14.025,40.9
NetFR53_1: FR53.1 IC22.6 | length 1.1
  Top w0.4: IC22.6@20,43.325 20,43.755 FR53.1@20.5,44.255
NetIC1_D6: IC1.D6 R32.2 | length 0.4
  Bottom w0.35: R32.2@79.685,25.825 79.828,25.825 v4(80.006,25.647)